# Altium PCB FMC_SINGLE_LPC_BREAKOUT_REVC.PcbDoc (part 1 of 2)
Units mm, origin at the board's own origin, x right, y up, seen from the top; angles counter-clockwise.
Board outline 78.8 x 69 mm, 2 copper layers (Component Side, Bottom Layer), stack 1.571 mm thick; 17 components, 160 nets, 500 pads, 483 vias.
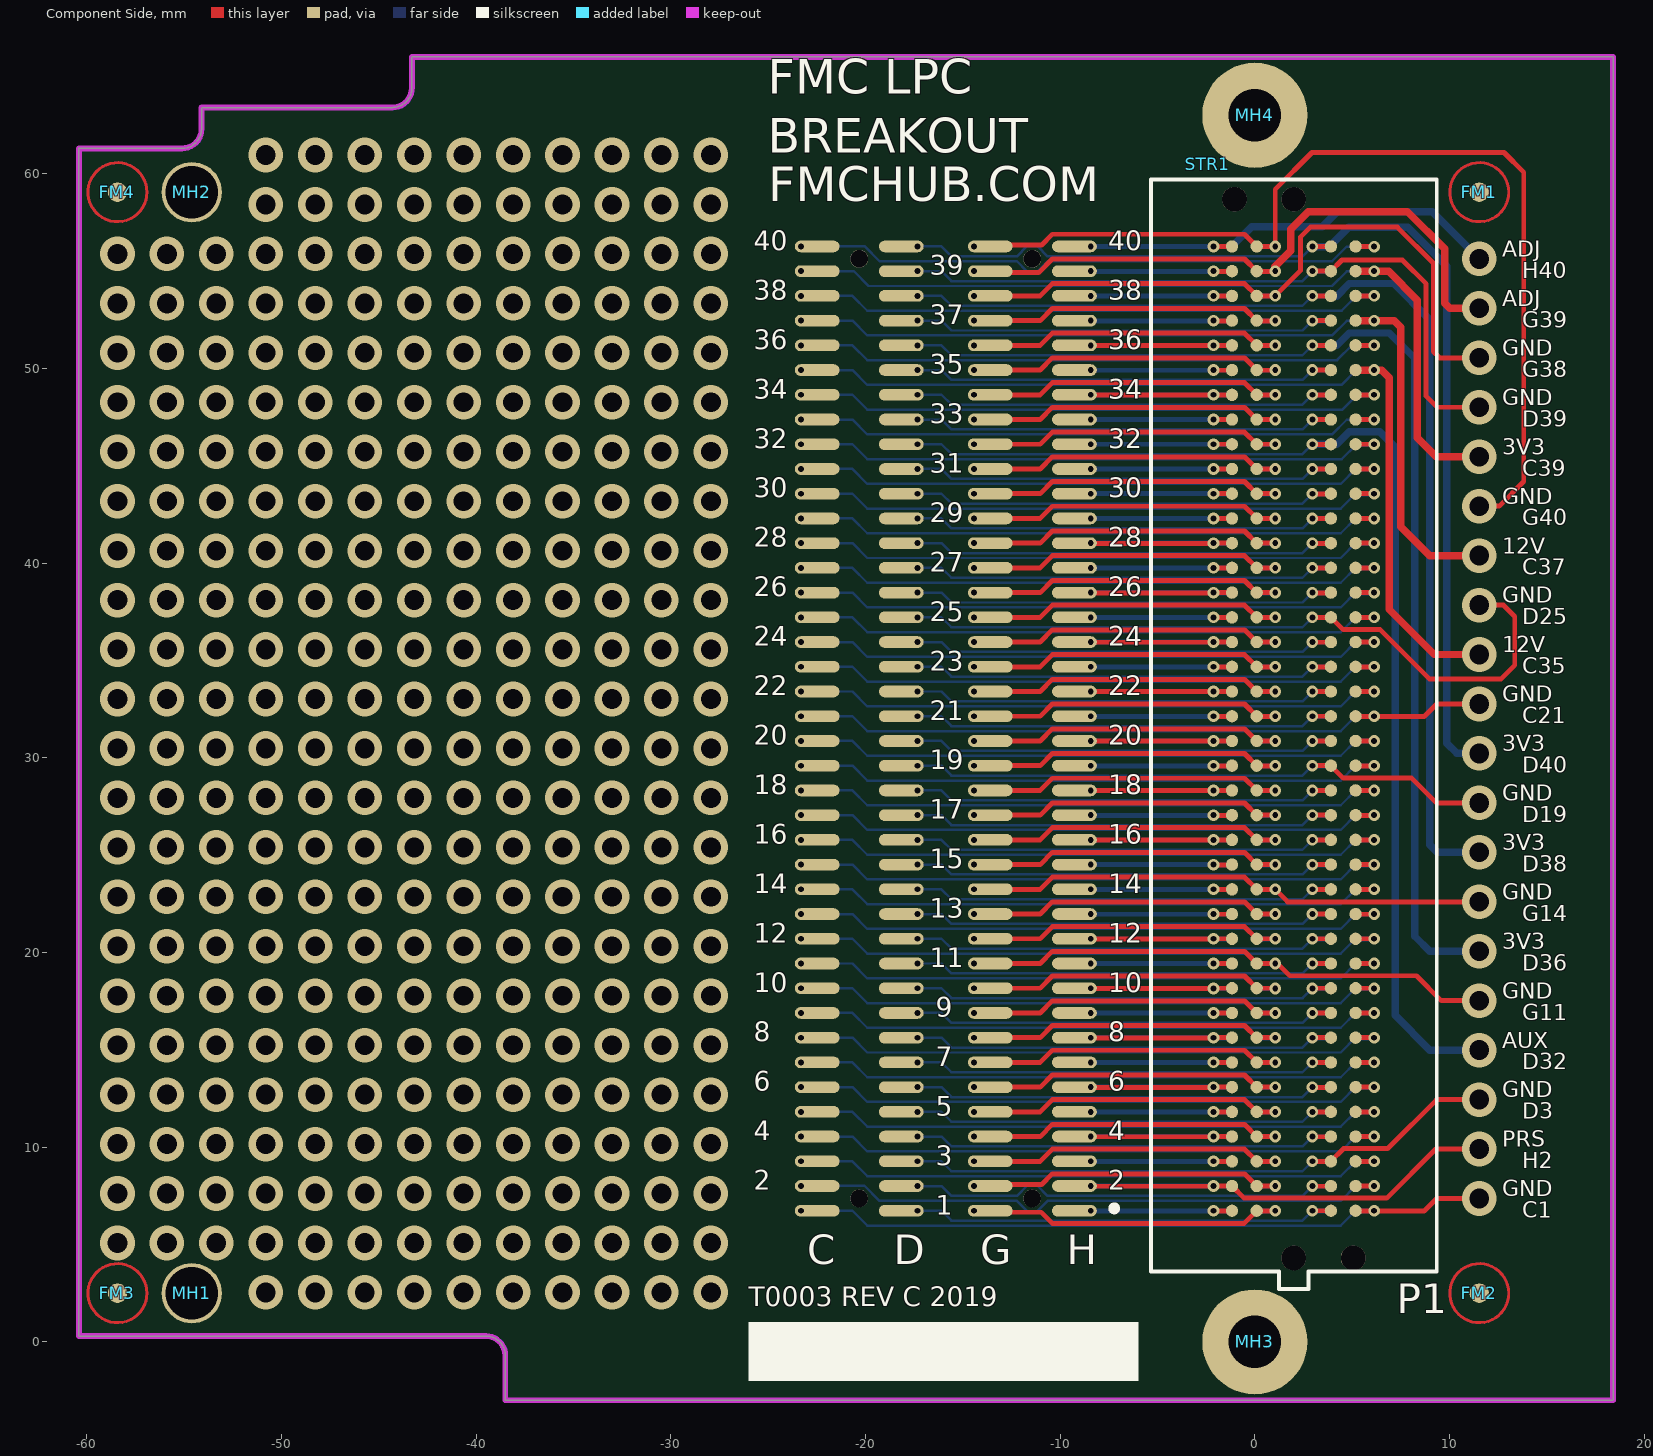
[diagram p0: Component Side view]
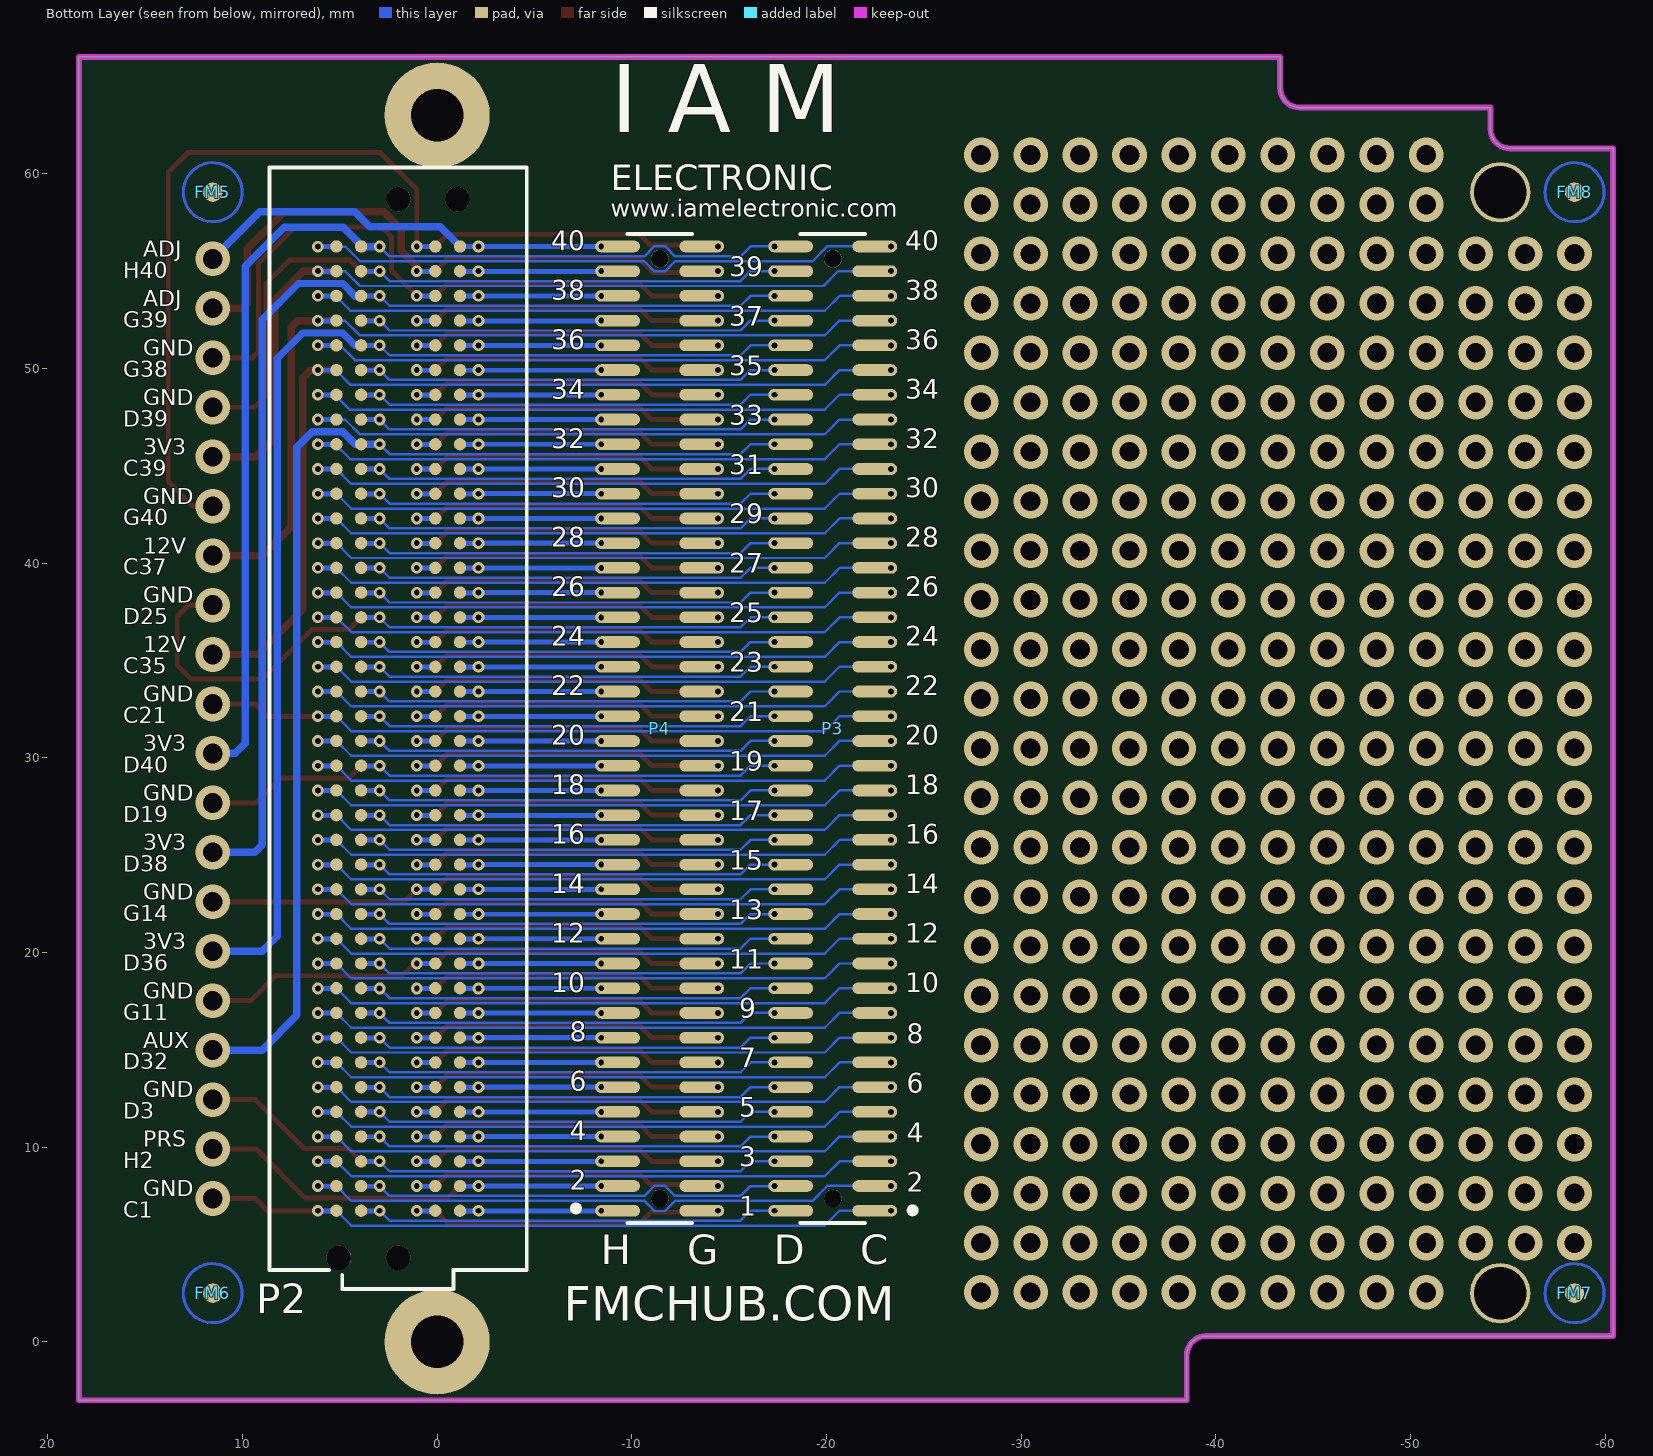
[diagram p1: Bottom Layer view, seen from below]
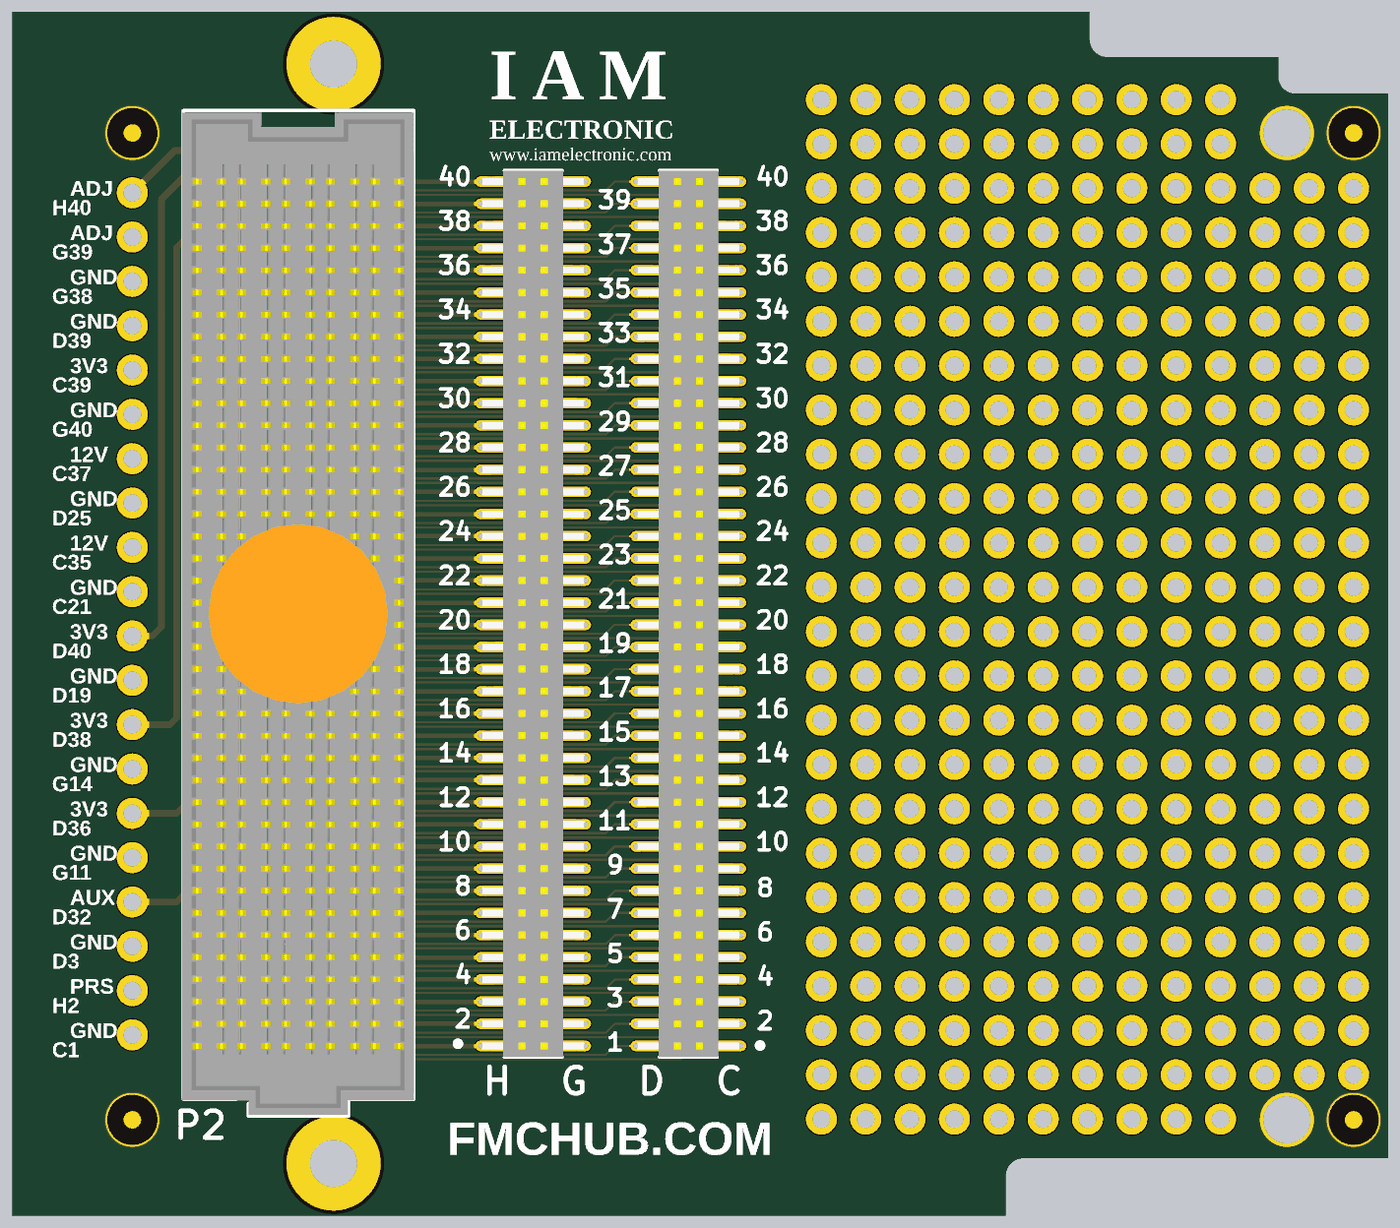
[diagram p3: 3D render of the assembled board from below, using the file's embedded part models]

## Layer stack, top to bottom
Top Solder: solder mask 0.0102, Solder Resist, Dk 3.5
Component Side: signal copper 0.0356
Dielectric 1: core 1.5, FR-4, Dk 4.2
Bottom Layer: signal copper 0.0356
Solder Side: solder mask 0.0102, Solder Resist, Dk 3.5

## Board outline
-60.4,0.3 -60.4,61.3 -55.1,61.3 ccw(c-55.1,62.3) -54.1,62.3 -54.1,63.4 -44.3,63.4 ccw(c-44.3,64.4) -43.3,64.4 -43.3,66 18.4,66 18.4,-3 -38.5,-3 -38.5,-0.7 ccw(c-39.5,-0.7) -39.5,0.3

## Design rules (kind name [scope] priority, off if disabled: settings)
AcuteAngle [All] p1: minimum=6.00000000000000E+0001 checktracksonly=FALSE
Clearance Clearance_Keepout [All vs OnLayer('Keep-Out Layer')] p1: gap=0.15 ignorepadtopadclearanceinfootprint=FALSE
Clearance [All] p2: gap=0.127 ignorepadtopadclearanceinfootprint=FALSE
DiffPairsRouting [All] p1: maxlimit=10 minlimit=0.2 mostfreqgap=0.2 toplayer_minwidth=0.2 toplayer_maxwidth=10 toplayer_prefwidth=0.381 bottomlayer_minwidth=0.2 bottomlayer_maxwidth=10 bottomlayer_prefwidth=0.381 maxuncoupledlength=12.7
FabricationTestPointUsage FabricationTestPointUsage_1 [All] p1: valid=0 allowmultiple=FALSE
FabricationTestpoint FabricationTestpoint_1 [All] p1: side=3 testpointundercomponent=TRUE minsize=1.016 maxsize=2.54 preferedsize=1.524 minholesize=0 maxholesize=1.016 preferedholesize=0.813 testpointgrid=0.025 allowsidetop=TRUE allowsidebottom=TRUE usegrid=TRUE gridtolerance=0
HoleSize [All] p1: absolutevalues=TRUE maxlimit=6 minlimit=0.3 maxpercent=80.000 minpercent=20.000
HoleSize FabricationTestpoint [All] p2 off: absolutevalues=TRUE maxlimit=2.54 minlimit=0.025 maxpercent=80.000 minpercent=20.000
HoleSize FabricationTestPointUsage [All] p3 off: absolutevalues=TRUE maxlimit=2.54 minlimit=0.025 maxpercent=80.000 minpercent=20.000
HoleToHoleClearance [All] p1: gap=0.3 allowstackedmicrovias=TRUE
MinimumAnnularRing [All] p1: minimumring=0.15
MinimumSolderMaskSliver [All] p1: minsoldermaskwidth=0.05
NetAntennae [All] p1 off: netantennaetolerance=0
PlaneClearance [All] p1: clearance=0.4
PlaneConnect [All] p1: planeconnectstyle=Direct reliefexpansion=0.4 reliefentries=4 reliefconductorwidth=0.15 reliefairgap=0.15
PolygonConnect [All] p1: connectstyle=Relief reliefconductorwidth=0.254 reliefentries=4 polygonreliefangle="90 Angle" airgapwidth=0.254
RoomDefinition FMC_SINGLE_LPC_BREAKOUT_REVC [InComponentClass('FMC_SINGLE_LPC_BREAKOUT_REVC')] p1: confinementstyle=ConfineIn formatcopy=TRUE lockcomponents=FALSE outline -60.375,-3.025 18.425,-3.025 18.425,66 -60.375,66
RoutingCorners [All] p1: cornerstyle=45-Degree minsetback=1.5 maxsetback=1.5
RoutingVias [All] p1: holewidth=0.3 width=0.6 viastyle="Through Hole" minholewidth=0.3 minwidth=0.45 maxholewidth=0.45 maxwidth=0.75
SilkToSilkClearance [All] p1: silktosilkclearance=0.178
SilkToSolderMaskClearance [IsPad] p1: minsilkscreentomaskgap=0.1 clearancetoexposedcopper=TRUE
SolderMaskExpansion [All] p1: expansion=0.075
Width [All] p1: maxlimit=9.491 minlimit=0.127 preferedwidth=0.127 minimp=5.000000 maximp=125.000000 favimp=50.000000
18 further rules are at their usual default settings.

## Components (designator, comment, footprint, x,y, rotation, side; value= is the part's Value field where it differs from the comment)
FM1 "1mm" FIDUCIAL_MARK_ROUND_RING 11.525,59.05 r0 top
FM2 "1mm" FIDUCIAL_MARK_ROUND_RING 11.525,2.5 r0 top
FM3 "1mm" FIDUCIAL_MARK_ROUND_RING -58.42,2.5 r0 top
FM4 "1mm" FIDUCIAL_MARK_ROUND_RING -58.42,59.05 r0 top
FM5 "1mm" FIDUCIAL_MARK_ROUND_RING 11.525,59.05 r180 bottom
FM6 "1mm" FIDUCIAL_MARK_ROUND_RING 11.525,2.5 r180 bottom
FM7 "1mm" FIDUCIAL_MARK_ROUND_RING -58.42,2.5 r180 bottom
FM8 "1mm" FIDUCIAL_MARK_ROUND_RING -58.42,59.05 r180 bottom
MH1 "2.7mm" "Mounting_Hole_Plated_2.7mm - d3.1mm" -54.6,2.5 r0 top
MH2 "2.7mm" "Mounting_Hole_Plated_2.7mm - d3.1mm" -54.6,59.05 r0 top
MH3 "2.7mm" Mounting_Hole_Plated_2.7mm-COVERED 0,0 r0 top
MH4 "2.7mm" Mounting_Hole_Plated_2.7mm-COVERED 0,63 r0 top
P1 "MC-LPC-10" ASP-134604-01 2,31.5 r270 top
P2 "CC-LPC-10" ASP-134603-01 2,31.5 r270 bottom
P3 "1.27mm SMT pin header" FTS-140-01-L-DV-A_NO_PASTE -20.32,31.5 r90 bottom
P4 "1.27mm SMT pin header" FTS-140-01-L-DV-A_NO_PASTE -11.43,31.5 r90 bottom
STR1 "IAM LOGO" "IAM LOGO - MEDIUM" -2.42,60.475 r0 top

## Footprints (in the part's own frame and the unit in brackets; to place one, negate y for a bottom-side part, rotate by r counter-clockwise, add the part's x,y. Pads: shape width x height; smd on the part's side, far side on the other; paste and mask are expansions set on the pad)
ASP-134603-01 [mil] "CC-LPC-10, 1.27mm PITCH SOCKET ARRAY ASSEMBLY, FEMALE, VITA 57 CONNECTOR"
  round 25 smd paste+5 mask+2: C1(975,-125) C2(925,-125) C3(875,-125) C4(825,-125) C5(775,-125) C6(725,-125) C7(675,-125) C8(625,-125) C9(575,-125) C10(525,-125) C11(475,-125) C12(425,-125) C13(375,-125) C14(325,-125) C15(275,-125) C16(225,-125) C17(175,-125) C18(125,-125) C19(75,-125) C20(25,-125) C21(-25,-125) C22(-75,-125) C23(-125,-125) C24(-175,-125) C25(-225,-125) C26(-275,-125) C27(-325,-125) C28(-375,-125) C29(-425,-125) C30(-475,-125) C31(-525,-125) C32(-575,-125) C33(-625,-125) C34(-675,-125) C35(-725,-125) C36(-775,-125) C37(-825,-125) C38(-875,-125) C39(-925,-125) C40(-975,-125) D1(975,-75) D2(925,-75) D3(875,-75) D4(825,-75) D5(775,-75) D6(725,-75) D7(675,-75) D8(625,-75) D9(575,-75) D10(525,-75) D11(475,-75) D12(425,-75) D13(375,-75) D14(325,-75) D15(275,-75) D16(225,-75) D17(175,-75) D18(125,-75) D19(75,-75) D20(25,-75) D21(-25,-75) D22(-75,-75) D23(-125,-75) D24(-175,-75) D25(-225,-75) D26(-275,-75) D27(-325,-75) D28(-375,-75) D29(-425,-75) D30(-475,-75) D31(-525,-75) D32(-575,-75) D33(-625,-75) D34(-675,-75) D35(-725,-75) D36(-775,-75) D37(-825,-75) D38(-875,-75) D39(-925,-75) D40(-975,-75) G1(975,75) G2(925,75) G3(875,75) G4(825,75) G5(775,75) G6(725,75) G7(675,75) G8(625,75) G9(575,75) G10(525,75) G11(475,75) G12(425,75) G13(375,75) G14(325,75) G15(275,75) G16(225,75) G17(175,75) G18(125,75) G19(75,75) G20(25,75) G21(-25,75) G22(-75,75) G23(-125,75) G24(-175,75) G25(-225,75) G26(-275,75) G27(-325,75) G28(-375,75) G29(-425,75) G30(-475,75) G31(-525,75) G32(-575,75) G33(-625,75) G34(-675,75) G35(-725,75) G36(-775,75) G37(-825,75) G38(-875,75) G39(-925,75) G40(-975,75) H1(975,125) H2(925,125) H3(875,125) H4(825,125) H5(775,125) H6(725,125) H7(675,125) H8(625,125) H9(575,125) H10(525,125) H11(475,125) H12(425,125) H13(375,125) H14(325,125) H15(275,125) H16(225,125) H17(175,125) H18(125,125) H19(75,125) H20(25,125) H21(-25,125) H22(-75,125) H23(-125,125) H24(-175,125) H25(-225,125) H26(-275,125) H27(-325,125) H28(-375,125) H29(-425,125) H30(-475,125) H31(-525,125) H32(-575,125) H33(-625,125) H34(-675,125) H35(-725,125) H36(-775,125) H37(-825,125) H38(-875,125) H39(-925,125) H40(-975,125)
  round 50 hole 50 unplated paste+0 mask+0: MH1(-1070.5,0) MH2(1070.5,-120)
  silkscreen extent -1135,-260 1133,260, body extent -1131,-263 1131,260, height 259
ASP-134604-01 [mil] "MC-LPC-10, 1.27mm PITCH TERMINAL ARRAY ASSEMBLY, MALE, VITA 57 CONNECTOR"
  round 25 smd paste+5 mask+2: C1(975,125) C2(925,125) C3(875,125) C4(825,125) C5(775,125) C6(725,125) C7(675,125) C8(625,125) C9(575,125) C10(525,125) C11(475,125) C12(425,125) C13(375,125) C14(325,125) C15(275,125) C16(225,125) C17(175,125) C18(125,125) C19(75,125) C20(25,125) C21(-25,125) C22(-75,125) C23(-125,125) C24(-175,125) C25(-225,125) C26(-275,125) C27(-325,125) C28(-375,125) C29(-425,125) C30(-475,125) C31(-525,125) C32(-575,125) C33(-625,125) C34(-675,125) C35(-725,125) C36(-775,125) C37(-825,125) C38(-875,125) C39(-925,125) C40(-975,125) D1(975,75) D2(925,75) D3(875,75) D4(825,75) D5(775,75) D6(725,75) D7(675,75) D8(625,75) D9(575,75) D10(525,75) D11(475,75) D12(425,75) D13(375,75) D14(325,75) D15(275,75) D16(225,75) D17(175,75) D18(125,75) D19(75,75) D20(25,75) D21(-25,75) D22(-75,75) D23(-125,75) D24(-175,75) D25(-225,75) D26(-275,75) D27(-325,75) D28(-375,75) D29(-425,75) D30(-475,75) D31(-525,75) D32(-575,75) D33(-625,75) D34(-675,75) D35(-725,75) D36(-775,75) D37(-825,75) D38(-875,75) D39(-925,75) D40(-975,75) G1(975,-75) G2(925,-75) G3(875,-75) G4(825,-75) G5(775,-75) G6(725,-75) G7(675,-75) G8(625,-75) G9(575,-75) G10(525,-75) G11(475,-75) G12(425,-75) G13(375,-75) G14(325,-75) G15(275,-75) G16(225,-75) G17(175,-75) G18(125,-75) G19(75,-75) G20(25,-75) G21(-25,-75) G22(-75,-75) G23(-125,-75) G24(-175,-75) G25(-225,-75) G26(-275,-75) G27(-325,-75) G28(-375,-75) G29(-425,-75) G30(-475,-75) G31(-525,-75) G32(-575,-75) G33(-625,-75) G34(-675,-75) G35(-725,-75) G36(-775,-75) G37(-825,-75) G38(-875,-75) G39(-925,-75) G40(-975,-75) H1(975,-125) H2(925,-125) H3(875,-125) H4(825,-125) H5(775,-125) H6(725,-125) H7(675,-125) H8(625,-125) H9(575,-125) H10(525,-125) H11(475,-125) H12(425,-125) H13(375,-125) H14(325,-125) H15(275,-125) H16(225,-125) H17(175,-125) H18(125,-125) H19(75,-125) H20(25,-125) H21(-25,-125) H22(-75,-125) H23(-125,-125) H24(-175,-125) H25(-225,-125) H26(-275,-125) H27(-325,-125) H28(-375,-125) H29(-425,-125) H30(-475,-125) H31(-525,-125) H32(-575,-125) H33(-625,-125) H34(-675,-125) H35(-725,-125) H36(-775,-125) H37(-825,-125) H38(-875,-125) H39(-925,-125) H40(-975,-125)
  round 50 hole 50 unplated paste+0 mask+0: MH1(1070.5,0) MH2(-1070.5,-120)
  silkscreen extent -1110,-289 1133,289, body extent -1098,-289 1133,289, height 281
FIDUCIAL_MARK_ROUND_RING [mm] "fiducial mark, round, 1 mm diameter, 3 mm keep-out and ring on top layer (6mil)"
  round 1 smd paste-1 mask+1.04: FD0(0,0)
  Component Side circle w0.152: c0,0 r1.515
FTS-140-01-L-DV-A_NO_PASTE [mm] "1.27 mm Micro Low Profile Terminal Strip, without solder paste expansion"
  oval 0.6x2.3 hole 0.3 copper offset 0,0.838 paste-10: 1(-24.765,-3) 3(-23.495,-3) 5(-22.225,-3) 7(-20.955,-3) 9(-19.685,-3) 11(-18.415,-3) 13(-17.145,-3) 15(-15.875,-3) 17(-14.605,-3) 19(-13.335,-3) 21(-12.065,-3) 23(-10.795,-3) 25(-9.525,-3) 27(-8.255,-3) 29(-6.985,-3) 31(-5.715,-3) 33(-4.445,-3) 35(-3.175,-3) 37(-1.905,-3) 39(-0.635,-3) 41(0.635,-3) 43(1.905,-3) 45(3.175,-3) 47(4.445,-3) 49(5.715,-3) 51(6.985,-3) 53(8.255,-3) 55(9.525,-3) 57(10.795,-3) 59(12.065,-3) 61(13.335,-3) 63(14.605,-3) 65(15.875,-3) 67(17.145,-3) 69(18.415,-3) 71(19.685,-3) 73(20.955,-3) 75(22.225,-3) 77(23.495,-3) 79(24.765,-3)
  oval 0.6x2.3 hole 0.3 copper offset 0,-0.838 paste-10: 2(-24.765,3) 4(-23.495,3) 6(-22.225,3) 8(-20.955,3) 10(-19.685,3) 12(-18.415,3) 14(-17.145,3) 16(-15.875,3) 18(-14.605,3) 20(-13.335,3) 22(-12.065,3) 24(-10.795,3) 26(-9.525,3) 28(-8.255,3) 30(-6.985,3) 32(-5.715,3) 34(-4.445,3) 36(-3.175,3) 38(-1.905,3) 40(-0.635,3) 42(0.635,3) 44(1.905,3) 46(3.175,3) 48(4.445,3) 50(5.715,3) 52(6.985,3) 54(8.255,3) 56(9.525,3) 58(10.795,3) 60(12.065,3) 62(13.335,3) 64(14.605,3) 66(15.875,3) 68(17.145,3) 70(18.415,3) 72(19.685,3) 74(20.955,3) 76(22.225,3) 78(23.495,3) 80(24.765,3)
  round 0.914 hole 0.914 unplated paste-10 mask+0: 81(-24.13,0) 82(24.13,0)
  silkscreen extent -25.4,-1.65 25.4,1.65, body extent -25.4,-2.92 25.4,2.92, height 4.32
"IAM LOGO - MEDIUM" [mm] "IAM ELECTRONIC LOGO - 14.00mm x 6.75mm"
"Mounting_Hole_Plated_2.7mm - d3.1mm" [mm] "Mounting Hole, hole 2.7mm, diameter 3.1mm, Keepout R 3.2mm, plated"
  round 3.1 hole 2.7 mask+0: 0(0,0)
Mounting_Hole_Plated_2.7mm-COVERED [mm] "Mounting Hole, hole 2.7mm, diameter 5.4mm, Keepout R 2.9mm, plated, covered with solder mask"
  round 5.4 hole 2.7 mask+0.2: 0(0,0)
